# Altium PCB TE0722.Pcbdoc (part 2 of 2)
Units mm, origin at the board's own origin, x right, y up, seen from the top; angles counter-clockwise.
Board outline 17.9 x 51 mm, 6 copper layers (L 01, L 02, L 03, L 04, L 05, L 06), stack 0.726 mm thick; 69 components, 109 nets, 489 pads, 153 vias.
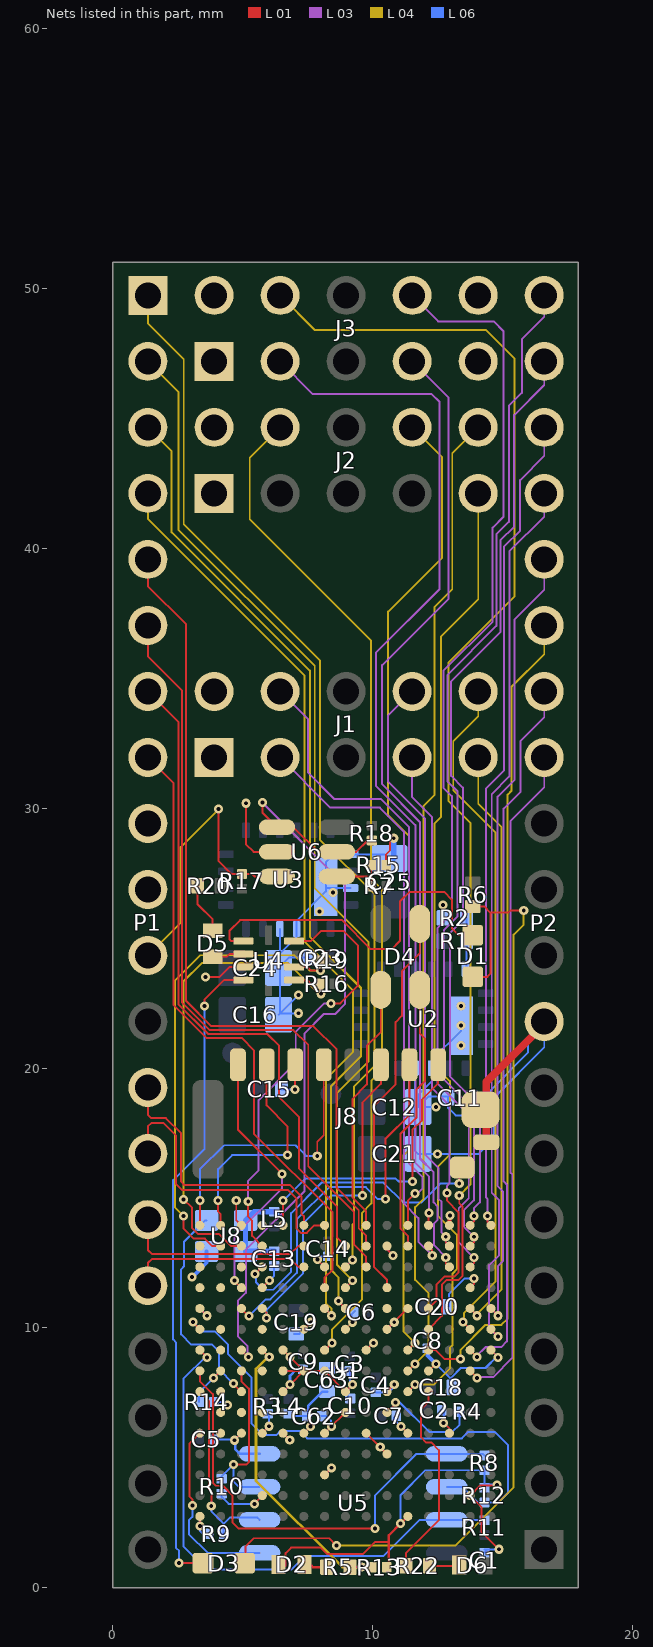
[diagram p6: the nets of this part, all layers, seen from the top]

## Via types
v1: diameter 0.35, hole 0.15, L 01 to L 06, 153 vias

## Nets (pads, with @x,y where several pads share a name; then routed paths per layer and width w, separated by ;. In a path a pad name is that pad's centre, name@x,y a point inside that pad or via, vN(x,y) a via of type N, cw(c..) or ccw(c..) an arc to the next point about the centre after c; other vN are vias at no path point) (continued)
B35_L3_N: P1.15 U1.F14 | length 7.4
  L 01 w0.075: P1.15@1.35,14.17 1.35,13 1.502,12.847 6.835,12.847 7.137,13.15 U1.F14@7.35,13.15
B35_L3_P: P1.16 U1.F13 | length 7.1
  L 01 w0.075: P1.16@1.35,11.63 1.35,12.5 1.502,12.652 6.835,12.652 7.137,12.35 U1.F13@7.35,12.35
B35_L5_N: P1.13 U1.F15 | length 10.6
  L 01 w0.075: P1.13@1.35,19.25 1.35,18.207 1.48,18.077 2.041,18.077 2.625,17.493 2.625,15.625 2.75,15.5 6.826,15.5 7.257,15.068 7.257,14.392 7.35,14.3 U1.F15@7.35,13.95 U1.F15@7.312,13.987
B35_L5_P: P1.14 U1.G15 | length 11.5
  L 01 w0.075: P1.14@1.35,16.71 1.35,17.752 1.48,17.882 1.96,17.882 2.43,17.412 2.43,15.544 2.669,15.305 6.745,15.305 7.062,14.987 7.062,13.831 7.231,13.662 7.469,13.662 7.757,13.95 U1.G15@8.15,13.95
DONE: R22.2 U1.M7 | length 7.7
  L 01 w0.075: R22.2@11.28,0.85 11.28,1.34 12.55,2.61 12.55,5.3 12.25,5.6 12.05,5.6 11.862,5.787 11.862,6.869 12.15,7.157 U1.M7@12.15,7.55
GND: C1.2 C2.1 C3.2 C4.1 C5.1 C6.1 C7.1 C8.1 C9.1 C10.1 C11.2 C12.2 C13.2 C14.1 C15.2 C16.2 C18.2 C19.2 C20.2 C21.2 C23.2 C24.2 C25.2 C62.1 C63.1 D2.K J1.1 J1.2 J2.1 J2.2 J3.1 J3.2 J3.9 J3.10 J8.6 J8.G2 J8.G3 P1.9 P2.9 R2.2 R8.2 R9.2 R10.2 R12.2 R13.2 R14.2 R15.1 U1.A1 U1.A11 U1.B8 U1.C5 U1.C15 U1.D2 U1.D12 U1.E5 U1.E7 U1.E8 U1.E9 U1.F8 U1.F10 U1.G3 U1.G5 U1.G8 U1.G13 U1.H6 U1.H7 U1.H10 U1.J5 U1.J9 U1.K4 U1.K7 U1.K10 U1.K14 U1.L1 U1.L5 U1.L11 U1.M8 U1.N5 U1.N15 U1.P2 U1.P12 U1.R9 U2.3 U2.4 U2.21 U3.3 U3.4 U3.17 U3.19 U3.21 U4.8 U5.4 U6.2 U8.2 | length 109
  L 01 w0.075: v1(3.35,2.38) U1.A1@3.35,2.75 ; U1.A11@3.35,10.75 v1@3.625,10.475 ; v1(3.57,23.5) 4.1,23.5 4.48,23.88 ; v1(3.88,8.08) U1.B8@4.15,8.35 ; v1(4.68,5.68) U1.C5@4.95,5.95 ; v1(4.75,14.9) 4.75,14.15 U1.C15@4.95,13.95 ; U4.8@5.025,23.88 4.48,23.88 ; v1(5.12,30.19) 5.12,28.62 5.42,28.32 U6.2@6.32,28.32 ; U4.8@5.125,23.88 4.48,23.88 ; v1@5.44,3.24 U1.D2@5.75,3.55 ; U1.D12@5.75,11.55 v1@6.025,11.825 ; U1.E5@6.55,5.95 v1(6.81,5.69) ; U1.E7@6.55,7.55 v1(6.82,7.82) U1.F8@7.35,8.35 ; U1.E8@6.55,8.35 U1.F8@7.35,8.35 ; U1.E9@6.58,9.12 v1(6.82,8.88) U1.F8@7.35,8.35 ; 6.65,0.85 6.65,1.34 6.86,1.55 8,1.55 8.25,1.3 9.62,1.3 10.09,1.77 10.625,1.77 ; v1(7.017,19.175) J8.6@7.017,20.125 ; U1.F10@7.35,9.95 v1@7.625,10.225 ; v1@7.875,12.625 U1.G13@8.15,12.35 ; U1.G3@8.15,4.35 v1@8.415,4.615 ; U1.G5@8.15,5.94 v1(8.41,6.21) U1.H6@8.895,6.685 ; U1.H10@8.95,9.95 v1@9.225,10.225 ; v1(9.22,7.82) U1.H7@8.95,7.55 U1.G8@8.15,8.35 U1.F8@7.35,8.35 ; U1.J5@9.75,5.95 U1.K4@10.55,5.15 ; U1.J9@9.75,9.15 v1@10.025,9.425 ; R15.1@10.515,27.8 10.515,28.225 10.67,28.38 10.67,28.82 v1@10.65,28.84 ; U1.K7@10.55,7.55 v1@10.825,7.825 ; U1.K10@10.55,9.95 U1.L11@11.35,10.75 ; U1.K14@10.55,13.15 10.55,13.02 v1(10.78,12.79) v1@10.825,12.875 ; v1(11.07,2.47) U1.L1@11.35,2.75 ; v1(11.09,6.21) U1.L5@11.35,5.95 ; U1.M8@12.15,8.35 v1@12.425,8.625 ; v1@12.74,6.35 12.95,6.14 U1.N5@12.95,5.95 ; U1.P12@13.75,11.55 13.89,11.69 v1(13.89,11.91) ; U1.R9@14.55,9.15 v1@14.825,8.875 ; v1@14.79,3.945 14.145,3.945 U1.P2@13.75,3.55 14.18,3.12 14.18,2.16 v1(14.855,1.485)
  L 01 w0.1: R13.2@10.625,0.8 10.625,1.77 10.625,2.025 v1(11.07,2.47)
  L 01 w0.15: v1@12.94,14.36 12.95,14.35 U1.N15@12.95,13.95
  L 01 w0.3: J8.G3@14.372,17.15 14.372,19.462 16.6,21.69 P2.9@16.6,21.79
  L 06 w0.075: R14.2@3.325,7.15 3.325,7.525 v1@3.91,8.11 ; v1@3.35,2.4 3.35,2.2 3.47,2.08 R9.2@3.695,2.08 ; C5.1@3.885,5.71 v1@4.71,5.71 ; R10.2@4.19,3.625 4.19,3.5 4.46,3.23 v1(5.45,3.23) ; v1@5.5,3.3 v1@5.51,3.31 ; v1(6.03,11.82) 6.21,12 C13.2@6.21,12.385 ; C16.2@6.377,22.05 C16.2@6.425,22.097 ; U3.4@6.425,25.35 C24.2@6.425,24.395 ; C15.2@6.49,19.18 7.012,19.18 v1(7.017,19.175) ; C19.2@6.98,9.77 7.18,9.77 v1@7.59,10.18 ; v1(7.137,22.107) C16.2@6.435,22.107 ; v1(7.137,22.81) C16.2@6.435,22.107 ; C23.2@7.55,24.25 6.777,24.25 C24.2@6.425,23.897 ; v1@7.59,10.19 v1@7.59,10.18 ; v1(7.63,10.22) v1@7.59,10.18 ; v1@7.795,12.705 v1@7.91,12.59 ; v1(7.88,12.63) 8.005,12.755 C14.1@8.29,12.755 ; C62.1@8.035,6.61 8.225,6.61 8.39,6.445 v1(8.41,6.21) ; C63.1@8.15,8.45 8.925,8.45 C3.2@9.03,8.345 ; C10.1@9.05,7.285 9.05,7.65 v1@9.19,7.79 ; C3.2@9.12,8.345 9.12,7.92 v1(9.22,7.82) ; U3.19@9.15,26.925 8.25,26.925 U3.21@8.2,26.975 ; v1@9.19,10.19 9.19,10.525 C6.1@9.315,10.65 ; C4.1@10.12,7.525 10.615,7.525 10.79,7.7 v1@10.79,7.79 ; C25.2@10.65,28.06 10.485,28.225 U3.17@9.15,28.225 8.515,28.225 8.2,27.91 U3.21@8.2,26.975 ; C7.1@10.82,6.48 C7.1@10.82,6.55 ; C7.1@10.91,6.62 10.91,6.39 v1(11.09,6.21) v1@11.11,6.19 ; v1(11.07,2.47) 11.07,3.57 12.025,4.525 R8.2@14.3,4.525 ; U2.4@11.625,20 11.625,16.815 C21.2@11.74,16.7 14.08,16.7 14.667,17.287 14.667,18.867 16.6,20.8 P2.9@16.6,21.79 15.97,21.16 15.97,20.59 14.4,19.02 14.4,18.5 14.08,18.18 13.19,18.18 12.9,18.47 12.9,18.9 12.14,18.9 C12.2@11.74,18.5 ; v1(12.43,8.62) 13.02,8.03 ; v1(12.44,18.5) C12.2@11.74,18.5 ; C2.1@12.655,6.84 12.75,6.745 v1@12.75,6.34 ; R2.2@12.71,25.78 v1(12.71,26.27) ; C20.2@12.93,10.82 12.93,11.29 13.55,11.91 v1(13.89,11.91) ; C18.2@13.02,7.72 13.02,8.09 13.39,8.46 14.34,8.46 v1@14.79,8.91 ; U2.21@13.4,21.44 12.275,20.315 U2.3@12.275,20 12.275,19.495 11.74,18.96 C12.2@11.74,18.5 ; C1.2@14.3,1.355 C1.2@14.43,1.485 ; C1.2@14.3,1.485 C1.2@14.43,1.485 ; R8.2@14.3,4.49 14.3,3.985 14.69,3.985 v1@14.73,3.945 ; v1(14.855,1.485) C1.2@14.43,1.485 ; C16.2@6.425,22.097 C16.2@6.435,22.107 ; C16.2@6.425,22.097 C24.2@6.425,23.897 ; C24.2@6.425,23.897 C24.2@6.377,23.85 6.377,24.347 C24.2@6.425,24.395 ; C24.2@6.425,23.897 C24.2@6.425,24.395 ; C24.2@6.425,24.395 7.075,25.045 U3.3@7.075,25.35 7.075,25.675 8.2,26.8 U3.21@8.2,26.975
  L 06 w0.1: v1@4.71,5.71 4.71,5.34 4.895,5.155 U5.4@5.65,5.155 ; v1(6.82,7.82) 6.82,8.16 7.075,8.415 C9.1@7.32,8.415 C9.1@7.23,8.415
  L 06 w0.15: v1(3.05,11.96) 3.06,11.96 3.61,12.51 U8.2@3.61,12.94 ; C8.1@12.11,9.215 12.11,8.94 v1(12.43,8.62)
  L 06 w0.2: C25.2@10.81,28.06 v1(10.81,28.84)
  other v1: 14.79,3.955 8.41,4.62 10.29,5.42 12.73,6.34 10.83,7.82 14.82,8.87 10.03,9.42 9.23,10.22 10.83,10.22 3.62,10.47 12.97,14.32 12.49,16.7 13.39,20.87 13.39,21.64 13.39,22.39 7.95,26.03 8.48,26.75
INIT: R3.1 U1.D5 | length 0.9
  L 01 w0.075: U1.D5@5.75,5.95 v1@6.015,6.215
  L 06 w0.075: R3.1@5.96,6.695 6.01,6.645 v1(6.01,6.22) ; v1@5.985,6.195 v1@5.99,6.19
MIO0: U1.D8
MIO7: R5.2 R13.1 U1.D9 | length 11.6
  L 01 w0.075: U1.D9@5.75,9.15 v1(6.02,8.88)
  L 01 w0.1: R5.2@9.185,0.8 R13.1@9.965,0.8
  L 04 w0.1: v1@5.99,8.91 5.51,8.43 5.51,4.12 8.83,0.8 v1@9.62,0.8
  other v1: 9.58,0.8
MIO8: R14.1 U1.B6 | length 1
  L 01 w0.075: U1.B6@4.15,6.75 v1@4.425,7.025
  L 06 w0.075: R14.1@3.895,7.15 4.23,7.15 v1@4.39,6.99
  other v1: 4.42,7.03
MIO9: U1.B5
MIO10: U1.D6
MIO11: U1.B10
MIO12: U1.B7
MIO13: U1.C6
MIO14: U1.B9
MIO15: U1.D10
MIO28: J8.5 U1.A15 | length 10.8
  L 01 w0.075: U1.A15@3.35,13.95 v1(3.35,14.9) ; v1(7.867,16.62) 7.867,17.167 8.117,17.417 J8.5@8.117,20.125
  L 06 w0.075: v1(3.35,14.9) 3.35,16.1 4.28,17.03 7.03,17.03 7.44,16.62 v1(7.867,16.62)
MIO29: J8.3 U1.D11 | length 12.7
  L 01 w0.075: U1.D11@5.75,10.75 5.92,10.58 v1(5.92,10.38) ; v1(9.6,15.1) 9.6,18.67 10.317,19.387 J8.3@10.317,20.125
  L 06 w0.075: v1(5.92,10.38) 5.92,10.7 7.31,12.09 7.31,14.01 8.4,15.1 v1(9.6,15.1)
MIO30: J8.7 U1.B15 | length 8.9
  L 01 w0.075: v1(4.05,14.9) 4.05,14.48 4.15,14.38 U1.B15@4.15,13.95 ; J8.7@5.917,20.125 5.917,18.56 6.727,17.75 v1(6.727,16.65)
  L 06 w0.075: v1(4.05,14.9) 4.05,16.11 4.59,16.65 v1(6.727,16.65)
MIO31: J8.8 U1.C12 | length 10.1
  L 01 w0.075: v1@4.675,11.825 U1.C12@4.95,11.55 ; J8.8@4.817,20.125 4.817,17.625 v1(6.512,15.93)
  L 03 w0.075: v1(4.68,11.83) 4.68,13.55 6.512,15.382 v1(6.512,15.93)
MIO32: J8.1 U1.E15 | length 11.2
  L 01 w0.075: U1.E15@6.55,13.95 v1(6.55,14.9) ; v1(11.53,15.64) 11.53,17.62 11.9,17.99 11.9,18.8 12.517,19.417 J8.1@12.517,20.125
  L 06 w0.075: v1(6.55,14.9) 7.4,15.75 10.882,15.75 10.992,15.64 v1(11.53,15.64)
MIO33: J8.2 U1.C11 | length 14.7
  L 01 w0.075: U1.C11@4.95,10.75 4.95,10.74 v1(5.235,10.455) ; v1(10.5,14.96) 10.5,17.29 11.417,18.207 J8.2@11.417,20.125
  L 06 w0.075: v1(5.235,10.455) 5.88,11.1 6.06,11.1 7.08,12.12 7.08,14.18 8.322,15.422 9.734,15.422 10.196,14.96 v1(10.5,14.96)
MIO34: U1.D15
MIO35: U1.A14
MIO36: R19.1 U1.B14 U4.2 | length 19.1
  L 01 w0.075: v1(2.72,14.31) 2.72,13.83 3.113,13.437 3.543,13.437 3.83,13.15 U1.B14@4.15,13.15 ; U4.2@6.975,23.88 7.51,23.88 7.64,23.75 v1(7.99,23.75) 7.99,24.105 R19.1@7.955,24.14
  L 04 w0.075: v1(2.72,14.31) 2.39,14.64 2.39,23.36 3.37,24.34 6.98,24.34 7.57,23.75 v1(7.99,23.75)
MIO37: R16.1 U1.C14 U4.1 | length 19.4
  L 01 w0.075: v1(2.72,14.95) 3.05,14.62 3.05,13.843 3.283,13.61 4.097,13.61 4.557,13.15 U1.C14@4.95,13.15 ; U4.1@6.875,23.38 6.885,23.37 7.5,23.37 7.62,23.25 R16.1@7.955,23.25 7.97,23.25 v1@7.97,22.86
  L 04 w0.075: v1(2.72,14.95) 2.72,23.33 3.43,24.04 6.75,24.04 7.93,22.86 v1(8.01,22.86)
MIO38: U1.A13
MIO39: U1.D14 U4.4 | length 16.9
  L 01 w0.075: v1(5.21,14.87) 5.21,14.28 5.36,14.13 5.36,13.54 U1.D14@5.75,13.15 ; U4.4@6.875,24.88 7.62,24.88 8.02,25.28 8.87,25.28 9.43,24.72 9.43,23.16 8.76,22.49 v1(8.39,22.49)
  L 03 w0.075: v1(5.21,14.87) 5.21,15.66 5.61,16.06 5.61,18.77 7.04,20.2 7.04,21.39 8.14,22.49 v1(8.39,22.49)
MIO48: U1.B12
MIO49: J8.G4 U1.D13 | length 13
  L 01 w0.075: v1@5.475,12.075 U1.D13@5.75,12.35 ; v1@13.33,15.54 v1(13.33,15.56) 13.33,16.063 J8.G4@13.442,16.175
  L 06 w0.075: v1@5.51,12.11 5.51,11.76 5.8,11.47 6.17,11.47 6.86,12.16 6.86,14.42 8.03,15.59 10.41,15.59 11.17,14.83 11.88,14.83 12.61,15.56 v1(13.33,15.56)
  other v1: 5.47,12.08
MIO52: U1.A12
MIO53: U1.C13
NetC13_1: C13.1 L5.2 U8.1 U8.4 | length 3.5
  L 06 w0.2: U8.1@5.11,12.94 U8.4@5.11,14.14 5.445,14.475 L5.2@6.21,14.475 ; U8.1@5.125,12.955 C13.1@6.21,12.955
NetC62_2: C62.2 C63.2 L4.2 U1.F5 | length 2.6
  L 01 w0.075: U1.F5@7.35,5.95 v1(7.61,6.21)
  L 06 w0.075: 7,6.615 7.65,6.615 ; v1@7.59,6.19 C62.2@7.59,6.425
  L 06 w0.1: C62.2@7.515,6.62 7.515,7.005 8.06,7.55 C63.2@8.24,7.55
NetD1_A: D1.A D3.A R6.1 | length 39.7
  L 01 w0.075: D3.A@5.1,0.95 5.1,1.59 5.42,1.91 8.32,1.91 v1(8.6,1.63) ; D1.A@13.85,23.51 14.41,23.51 14.53,23.63 14.53,25.98 ; R6.1@13.85,26.22 14.29,26.22 14.53,25.98 ; v1(15.81,26.06) 15.8,26.07 15.31,26.07 15.22,25.98 14.53,25.98
  L 04 w0.075: v1(8.6,1.63) 13.17,1.63 15.42,3.88 15.42,25.13 15.81,25.52 v1(15.81,26.06)
NetD1_K: D1.K U4.6 | length 14.1
  L 01 w0.075: U4.6@5.125,24.88 4.56,24.88 4.49,24.95 4.49,25.28 4.9,25.69 8.82,25.69 9.93,24.58 10.74,24.58 11.05,24.89 11.05,26.41 11.42,26.78 12.75,26.78 13.05,26.48 13.05,25.37 13.31,25.11 D1.K@13.85,25.11
NetD2_A: D2.A R5.1 | length 0.7
  L 01 w0.1: 7.65,0.85 7.7,0.8 R5.1@8.28,0.8
NetD3_K: D3.K U4.9 | length 25
  L 01 w0.075: v1(2.55,0.95) D3.K@3.47,0.95 ; v1(3.53,22.39) 3.53,22.64 4.27,23.38 U4.9@5.025,23.38
  L 06 w0.075: v1(2.55,0.95) 2.55,1.42 2.44,1.53 2.44,9.44 2.32,9.56 2.32,15.69 3.53,16.9 v1(3.53,22.39)
NetD5_A: D5.A R20.2 | length 2
  L 01 w0.075: R20.2@3.268,27.012 3.268,26.292 3.842,25.718 D5.A@3.842,25.283
NetD5_K: D5.K U4.7 | length 1.2
  L 01 w0.075: D5.K@3.842,24.283 4.383,24.283 4.48,24.38 U4.7@5.025,24.38
NetD6_K: D6.K R22.1 | length 1.1
  L 01 w0.075: R22.1@12.18,0.85 D6.K@13.3,0.85
NetR1_2: R1.2 R2.1 U2.16 | length 2
  L 06 w0.075: U2.16@13.575,23.8 13.61,23.835 R2.1@13.61,25.78
NetR7_1: R7.1 R15.2 U6.4 | length 2.2
  L 01 w0.075: U6.4@8.62,27.37 9.9,27.37 ; R7.1@9.9,27.035 R7.1@9.945,26.99 R15.2@9.945,27.8
NetU1_C7: U1.C7 U8.3 | length 8.5
  L 01 w0.075: v1(4.64,7.86) U1.C7@4.95,7.55
  L 06 w0.075: U8.3@3.61,14.14 3.56,14.14 2.74,13.32 2.74,12.37 2.63,12.26 2.63,9.75 3.02,9.36 3.82,9.36 4.09,9.09 4.09,8.41 v1(4.64,7.86)
NRST: P1.11 R17.1 U6.3 | length 11.4
  L 01 w0.075: v1(4.07,29.96) 4.07,27.96 4.568,27.462 4.967,27.462 R17.1@4.97,27.465 5.375,27.465 5.47,27.37 U6.3@6.32,27.37
  L 04 w0.075: P1.11@1.35,24.33 2.61,25.59 2.61,28.5 v1(4.07,29.96)
  L 06 w0.075: P1.11@1.35,24.33 P1.11@1.51,24.33
P0: P1.1 U1.H13 | length 41.6
  L 01 w0.075: U1.H13@8.912,12.438 8.912,12.387 U1.H13@8.95,12.35 v1@9.225,12.625
  L 04 w0.075: P1.1@1.35,49.73 1.35,48.65 2.73,47.27 2.73,40.92 7.98,35.67 7.98,28.77 10.07,26.68 10.07,20.08 9.272,19.282 9.272,14.032 9.23,13.99 v1@9.23,12.63 ; v1@9.19,12.59 v1@9.23,12.63 ; v1(9.23,12.62) v1@9.23,12.63
P1: P1.2 U1.H12 | length 40
  L 01 w0.075: U1.H12@8.95,11.55 v1@9.225,11.825
  L 04 w0.075: P1.2@1.35,47.19 2.52,46.02 2.52,40.72 7.77,35.47 7.77,26.92 9.83,24.86 9.83,20.25 8.627,19.047 8.627,12.423 v1(9.23,11.82)
P2: P1.3 U1.H11 | length 38
  L 01 w0.075: v1@8.675,11.025 U1.H11@8.95,10.75
  L 04 w0.075: P1.3@1.35,44.65 2.26,43.74 2.26,40.61 7.58,35.29 7.58,25.05 9.55,23.08 9.55,20.46 8.4,19.31 8.4,12.23 8.68,11.95 v1(8.68,11.03) ; v1@8.71,10.99 v1@8.71,11.03
P3: P1.4 U1.G11 | length 35.8
  L 01 w0.075: U1.G11@8.15,10.75 v1@8.425,10.475
  L 04 w0.075: P1.4@1.35,42.11 1.35,41.13 7.38,35.1 7.38,24.86 9.24,23 9.24,20.61 8.202,19.572 8.202,10.958 8.42,10.74 v1(8.42,10.47)
P4: P1.5 U1.J14 | length 32.2
  L 01 w0.075: P1.5@1.35,39.57 1.35,38.54 2.82,37.07 2.82,22.58 3.79,21.61 7.72,21.61 8.61,20.72 8.61,15.39 9.462,14.538 9.462,13.831 9.75,13.543 U1.J14@9.75,13.15
P5: P1.6 U1.J13 | length 30
  L 01 w0.075: P1.6@1.35,37.03 1.35,35.84 2.67,34.52 2.67,22.518 3.728,21.46 6.95,21.46 7.52,20.89 7.52,16.22 9.272,14.468 9.272,13.221 9.75,12.743 U1.J13@9.75,12.35
P6: P1.7 U1.H14 | length 25.8
  L 01 w0.075: P1.7@1.35,34.49 2.52,33.32 2.52,22.456 3.666,21.31 5.95,21.31 6.4,20.86 6.4,18.88 7.16,18.12 7.16,16.14 8.627,14.672 8.627,13.472 U1.H14@8.95,13.15
P7: P1.8 U1.G12 | length 24.3
  L 01 w0.075: P1.8@1.35,31.95 2.34,30.96 2.34,22.424 3.604,21.16 4.954,21.16 5.44,20.674 5.44,17.46 8.455,14.445 8.455,12.248 8.15,11.943 U1.G12@8.15,11.55
P24: P2.13 U1.P8 | length 25.7
  L 01 w0.075: U1.P8@13.75,8.35 v1(14.02,8.08)
  L 03 w0.075: v1@13.99,8.11 14.63,8.11 15.37,8.85 15.37,15.91 15.31,15.97 15.31,29.51 16.6,30.8 P2.13@16.6,31.95
P25: P2.14 U1.P9 | length 27.5
  L 01 w0.075: U1.P9@13.75,9.15 v1(14.02,8.88)
  L 03 w0.075: v1@13.99,8.91 14.34,9.26 14.94,9.26 15.16,9.48 15.16,15.52 15.04,15.64 15.04,29.98 15.68,30.62 15.68,32.57 16.6,33.49 P2.14@16.6,34.49
P26: P2.15 U1.M9 | length 31.3
  L 01 w0.075: U1.M9@12.15,9.15 12.43,9.15 12.78,8.8 13.37,8.8 v1(13.38,8.81)
  L 04 w0.075: v1(13.38,8.81) 13.38,9.16 14.34,10.12 14.95,10.12 15.19,10.36 15.19,30.52 15.34,30.67 15.34,34.67 16.6,35.93 P2.15@16.6,37.03
P27: P2.16 U1.R11 | length 30.4
  L 01 w0.075: U1.R11@14.55,10.75 v1@14.825,10.475
  L 03 w0.075: v1(14.82,10.47) 14.82,12.38 15.01,12.57 15.01,15.26 14.81,15.46 14.81,30.44 15.45,31.08 15.45,37.25 16.6,38.4 P2.16@16.6,39.57
P28: P2.17 U1.R10 | length 34.1
  L 01 w0.075: U1.R10@14.55,9.95 v1@14.825,9.675
  L 03 w0.075: v1(14.82,9.67) 14.48,10.01 14.48,12.42 14.86,12.8 14.86,14.92 14.58,15.2 14.58,30.54 15.26,31.22 15.26,39.88 16.6,41.22 P2.17@16.6,42.11
P29: P2.18 U1.R15 | length 31.7
  L 01 w0.075: v1(14.41,14.31) 14.41,14.09 U1.R15@14.55,13.95
  L 03 w0.075: v1(14.41,14.31) 14.41,14.97 14.36,15.02 14.36,30.76 15.06,31.46 15.06,40.07 15.67,40.68 15.67,42.62 16.6,43.55 P2.18@16.6,44.65
P30: P2.19 U1.P15 | length 35.7
  L 01 w0.075: U1.P15@13.75,13.95 13.89,14.09 v1(13.89,14.31)
  L 03 w0.075: v1(13.89,14.31) 13.89,14.6 14.12,14.83 14.12,18.53 12.98,19.67 12.98,25.2 13.47,25.69 13.47,30.79 13.02,31.24 13.02,34.88 14.91,36.77 14.91,40.3 15.443,40.833 15.443,45.123 16.6,46.28 P2.19@16.6,47.19
P31: P2.20 U1.P14 | length 39.3
  L 01 w0.075: U1.P14@13.75,13.15 13.89,13.29 v1(13.89,13.51)
  L 03 w0.075: v1(13.89,13.51) 13.52,13.88 13.52,14.54 13.89,14.91 13.89,18.41 12.75,19.55 12.75,25.32 13.27,25.84 13.27,30.64 12.87,31.04 12.87,35.12 14.76,37.01 14.76,40.53 15.243,41.013 15.243,45.485 15.737,45.98 15.737,48.037 16.6,48.9 P2.20@16.6,49.73
POR_B: R18.1 U1.C9 U6.1 U6.5 | length 30.5
  L 01 w0.075: U1.C9@4.95,9.15 v1(5.22,8.88) ; v1(5.76,30.21) 5.76,29.83 U6.1@6.32,29.27 6.95,29.27 7.9,28.32 U6.5@8.62,28.32 9.37,28.32 9.805,28.755 R18.1@9.97,28.755
  L 03 w0.075: v1@5.19,8.91 5.19,9.3 4.81,9.68 4.81,11.04 5.12,11.35 5.12,13.01 7.38,15.27 7.38,21.34 8.12,22.08 8.55,22.08 8.93,22.46 8.93,27.04 v1(5.76,30.21)
PROG_B: R4.1 U1.K6 | length 4.1
  L 01 w0.075: U1.K6@10.55,6.75 10.88,7.08 v1(10.88,7.13)
  L 06 w0.075: v1(10.88,7.13) 11.05,7.13 12.18,6 13.06,6 13.345,6.285 R4.1@13.345,6.78
PWM: U1.K11
RGB_B: D4.4 U1.J15 | length 9.7
  L 01 w0.075: U1.J15@9.75,13.95 9.75,14.49 9.23,15.01 9.23,18.82 9.78,19.37 9.78,20.85 10.31,21.38 D4.4@10.31,23.01
RGB_G: D4.2 U1.K12 | length 14.9
  L 01 w0.075: U1.K12@10.55,11.55 10.55,11.85 10.047,12.353 10.047,18.537 10.88,19.37 10.88,21.77 11.12,22.01 11.12,23.72 11.81,24.41 D4.2@11.81,25.55
RGB_R: D4.1 U1.L14 | length 10.5
  L 01 w0.075: U1.L14@11.35,13.15 11.35,13.543 11.062,13.831 11.062,17.462 11.68,18.08 11.68,19.16 12.01,19.49 12.01,21.14 11.81,21.34 D4.1@11.81,23.01
SPI-CS: U1.A5 U5.1 | length 7.2
  L 01 w0.075: v1(3.06,3.17) 3.06,3.41 2.95,3.52 2.95,5.55 U1.A5@3.35,5.95
  L 06 w0.075: v1(3.06,3.17) 3.06,2.73 2.93,2.6 2.93,2.07 3.655,1.345 U5.1@5.65,1.345
SPI-DQ1/M1: R9.1 U1.A7 U5.2 | length 7.4
  L 01 w0.075: U1.A7@3.35,7.55 3.7,7.2 3.7,3.81 3.79,3.72 v1(3.79,3.15)
  L 06 w0.075: v1(3.79,3.15) 3.79,2.94 4.265,2.465 ; R9.1@4.265,2.03 R9.1@4.265,2.08 4.265,2.465 ; U5.2@5.65,2.615 5.565,2.7 4.5,2.7 4.265,2.465
SPI-DQ2/M2: R10.1 U1.C8 U5.3 | length 6.7
  L 01 w0.075: v1(4.65,4.75) 5.15,4.75 5.237,4.837 5.237,7.669 4.95,7.957 U1.C8@4.95,8.35
  L 06 w0.075: R10.1@4.19,4.195 4.19,4.29 v1(4.65,4.75) 4.65,4.09 4.855,3.885 U5.3@5.65,3.885
SPI-DQ3/M3: R11.1 U1.A9 U5.7 | length 20.8
  L 01 w0.075: U1.A9@3.35,9.15 v1@3.625,8.875
  L 06 w0.075: v1@3.59,8.91 2.72,8.04 2.72,1.61 3.63,0.7 6.87,0.7 7.39,1.22 10.41,1.22 11.805,2.615 U5.7@12.85,2.615 14.18,2.615 R11.1@14.3,2.735
  other v1: 3.62,8.87
SPI-DQO/M0: R8.1 U1.A8 U5.5 | length 18.3
  L 01 w0.075: U1.A8@3.35,8.35 3.35,7.957 3.85,7.457 3.85,4.04 3.96,3.93 4.24,3.93 4.6,3.57 4.6,2.53 4.85,2.28 v1(10.09,2.28)
  L 06 w0.075: v1(10.09,2.28) 10.09,3.56 11.685,5.155 U5.5@12.85,5.155 14.24,5.155 R8.1@14.3,5.095
SPI-SCK: R12.1 U1.A10 U5.6 | length 20.6
  L 01 w0.075: v1@3.075,10.225 U1.A10@3.35,9.95
  L 06 w0.075: v1@3.11,10.19 3.43,9.87 3.92,9.87 4.44,9.35 4.44,8.99 5.34,8.09 5.34,6.32 5.77,5.89 6.3,5.89 6.45,6.04 7.19,6.04 7.48,5.75 13.43,5.75 13.68,6 14.69,6 15.21,5.48 15.21,3.67 14.825,3.285 R12.1@14.3,3.285 14.045,3.285 13.445,3.885 U5.6@12.85,3.885
  other v1: 3.08,10.23
TCK: J2.4 U1.G9 | length 39
  L 01 w0.075: U1.G9@8.15,9.15 v1@8.425,9.425
  L 04 w0.075: J2.4@6.44,44.65 5.27,43.48 5.27,41.11 9.94,36.44 9.94,27.29 10.35,26.88 10.35,19.91 9.95,19.51 9.95,14.79 9.58,14.42 9.58,11.09 8.43,9.94 v1(8.43,9.42) ; v1@8.39,9.39 v1@8.39,9.42
TDI: J2.9 U1.L7 | length 37.2
  L 01 w0.075: U1.L7@11.35,7.55 v1(11.62,7.82)
  L 04 w0.075: v1@11.59,7.79 v1(11.62,7.82) 12.35,7.82 12.97,8.44 12.97,9.24 13.07,9.34 13.07,12.09 13.24,12.26 13.24,13.59 12.51,14.32 12.51,16.21 12.97,16.67 12.97,19.5 12.38,20.09 12.38,29.41 12.62,29.65 12.62,36.59 14.06,38.03 J2.9@14.06,42.11
TDO: J2.10 U1.L8 | length 37.9
  L 01 w0.075: U1.L8@11.35,8.35 v1@11.625,8.625
  L 04 w0.075: v1@11.59,8.59 v1@11.59,8.62 ; v1(11.63,8.62) 12.15,9.14 12.15,11.33 11.63,11.85 11.63,14.65 11.96,14.98 11.96,30.09 12.382,30.512 12.382,37.742 13.06,38.42 13.06,43.65 J2.10@14.06,44.65
TMS: J2.8 U1.L9 | length 37.6
  L 01 w0.075: U1.L9@11.35,9.15 v1@11.625,9.425
  L 04 w0.075: J2.8@11.52,44.65 12.67,43.5 12.67,39.64 10.59,37.56 10.59,29.72 11.4,28.91 11.4,16.86 11.19,16.65 11.19,9.86 v1(11.63,9.42)
X1A: J3.3 U1.M15 | length 40.3
  L 01 w0.075: U1.M15@12.15,13.95 v1@12.15,14.43
  L 03 w0.075: J3.3@6.44,47.19 7.7,45.93 12.27,45.93 12.57,45.63 12.57,38.43 10.12,35.98 10.12,30.87 11.64,29.35 11.64,16.35 12.17,15.82 v1(12.17,14.43)
X1B: J3.4 U1.M10 | length 49.8
  L 01 w0.075: U1.M10@12.15,9.95 12.662,10.462 12.662,11.669 12.831,11.837 13.297,11.837 13.462,12.002 13.462,14.658 13.33,14.79 v1(13.33,15.09)
  L 04 w0.075: J3.4@6.44,49.73 7.78,48.39 14.36,48.39 15.46,47.29 15.46,38.15 12.91,35.6 12.91,30.28 13.76,29.43 13.76,15.52 v1(13.33,15.09)
X1C: J3.7 U1.N13 | length 37.7
  L 01 w0.075: v1(12.81,12.71) 12.81,12.49 U1.N13@12.95,12.35
  L 03 w0.075: J3.7@11.52,47.19 12.92,45.79 12.92,38.06 10.36,35.5 10.36,30.92 11.82,29.46 11.82,16.52 12.34,16 12.34,14.83 12.492,14.678 12.492,14.152 12.36,14.02 12.36,13.176 12.81,12.726 v1(12.81,12.71)
X1D: J3.8 U1.P13 | length 42.4
  L 01 w0.075: U1.P13@13.75,12.35 13.89,12.49 v1(13.89,12.71)
  L 03 w0.075: J3.8@11.52,49.73 12.52,48.73 14.66,48.73 15.033,48.357 15.033,41.213 14.61,40.79 14.61,37.17 12.72,35.28 12.72,30.79 13.05,30.46 13.05,25.94 12.5,25.39 12.5,19.4 13.695,18.205 13.695,14.995 13.31,14.61 13.31,13.29 v1(13.89,12.71)
X2A: J1.3 U1.M14 | length 23.1
  L 01 w0.075: U1.M14@12.15,13.15 12.29,13.01 v1(12.29,12.79)
  L 03 w0.075: J1.3@6.44,31.95 8.37,30.02 10.28,30.02 11.2,29.1 11.2,14.79 11.76,14.23 11.76,13.32 v1(12.29,12.79)
X2B: J1.4 U1.L15 | length 24.2
  L 01 w0.075: U1.L15@11.35,13.95 11.35,14.9 v1(11.62,15.17)
  L 03 w0.075: J1.4@6.44,34.49 7.519,33.411 7.519,31.361 8.53,30.35 10.32,30.35 11.4,29.27 11.4,16.32 11.91,15.81 11.91,15.36 v1@11.62,15.07
X2C: J1.7 U1.M11 | length 22.7
  L 01 w0.075: U1.M11@12.15,10.75 12.46,11.06 12.46,11.679 12.769,11.987 13.157,11.987 13.3,12.13 13.3,14.46 12.86,14.9 v1(12.86,15.2)
  L 03 w0.075: J1.7@11.52,31.95 11.52,30.42 12.28,29.66 12.28,19.24 12.95,18.57 12.95,15.56 12.86,15.47 v1(12.86,15.2)
X2D: J1.8 U1.N14 | length 22.7
  L 01 w0.075: v1(12.81,13.51) 12.81,13.29 U1.N14@12.95,13.15
  L 03 w0.075: J1.8@11.52,34.49 10.58,33.55 10.58,31.04 12.02,29.6 12.02,16.67 12.53,16.16 12.53,14.972 12.647,14.855 12.647,13.672 v1(12.81,13.51)
X2E: J1.9 U1.P11 | length 22.6
  L 01 w0.075: U1.P11@13.75,10.75 v1@14.025,10.475
  L 04 w0.075: v1@13.99,10.51 14.95,11.47 14.95,29.28 14.06,30.17 J1.9@14.06,31.95
  other v1: 14.02,10.47
X2F: J1.10 U1.P10 | length 26.3
  L 01 w0.075: v1@13.475,10.225 U1.P10@13.75,9.95
  L 04 w0.075: v1@13.51,10.19 13.51,10.57 14.732,11.792 14.732,29.058 13.1,30.69 13.1,32.57 14.06,33.53 J1.10@14.06,34.49
  other v1: 13.48,10.23
XIO: P1.10
pads on no net: J8.G1 U1.A2 U1.A3 U1.A4 U1.B1 U1.B2 U1.B4 U1.C1 U1.C2 U1.C3 U1.C4 U1.D1 U1.D3 U1.D4 U1.E1 U1.E2 U1.E3 U1.F2 U1.F3 U1.F4 U1.G1 U1.G2 U1.G7 U1.H1 U1.H2 U1.H3 U1.H8 U1.J1 U1.J3 U1.J7 U1.J11 U1.K1 U1.K2 U1.K3 U1.L2 U1.L3 U1.L4 U1.M1 U1.M2 U1.M4 U1.M5 U1.M6 U1.N1 U1.N2 U1.N3 U1.N4 U1.N6 U1.N9 U1.P1 U1.P3 U1.P4 U1.P5 U1.P6 U1.R1 U1.R2 U1.R3 U1.R5 U1.R6 U2.8 U2.9 U2.10 U2.11 U2.12 U2.13 U2.14 U3.8 U3.9 U3.10 U3.11 U3.12 U3.13 U3.14 U3.16 U4.5 U4.10

## Polygon pours and split planes (outlines as drawn)
GND on L 02 "L 02-No Net" (solid, remove dead copper, pour order 20): -4.04,52.61 -2.55,51.12 -2.55,-2.37 -2.32,-2.6 19.47,-2.6 20.68,-1.39 20.68,53.19
GND on L 02 "L 02-No Net" (solid, remove dead copper, pour order 16): 0.12,50.85 0.12,0.28 0.04,0.2 17.889,0.2 17.9,0.189 17.9,51
GND on L 05 "L 05_ GND" (solid, remove dead copper, pour order 22): 0.12,50.92 0.12,0.08 17.791,0.08 17.9,0.189 17.9,51
3.3V on L 03 "L03_3.3V" (solid, pour order 21): 0,0 0,51 17.9,51 17.9,0
1.0V on L 03 "L03_1.0V" (solid, pour order 13): 6.32,6.52 6.32,10.67 8.11,12.46 9.21,13.56 9.21,15.21 9.21,16.71 8.76,17.16 8.43,17.49 8.43,19.98 8.43,21.03 8.7,21.3 8.75,21.35 10.26,21.35 10.742,21.35 10.86,21.232 10.93,21.162 10.93,18.58 10.93,17.02 10.98,16.97 11,16.95 11,15.96 11,14.62 11.16,14.46 11.55,14.07 11.55,12.18 11.55,11.57 11.84,11.28 11.93,11.19 11.93,10.21 11.93,10.06 11.74,9.87 11.56,9.69 11.01,9.69 10.63,9.69 10.52,9.58 10.5,9.56 10.5,7.12 10.5,5.96 10.45,5.91 10.21,5.67 9.26,5.67 7.17,5.67 6.45,6.39
3.3V on L 06 "L 06_GND" (solid, remove dead copper, pour order 19): -3.24,52.81 -5.6,50.45 -5.6,-5.32 18.48,-5.32 20.42,-3.38 22.43,-1.37 22.43,52.95
GND on L 04 "L04_GND" (solid, pour order 23): 0,0 0,51 17.9,51 17.9,0
1.8V on L 04 "L04_1.8V" (solid, pour order 10): 6.39,4.85 6.39,8.716 5.853,9.52 4.38,10.13 4.38,12.14 4.38,18.33 4.38,18.87 4.22,19.03 4.01,19.24 4.01,22.77 4.01,23.26 4.17,23.42 4.28,23.53 4.89,23.53 6.06,23.53 6.45,23.14 6.63,22.96 6.63,21.66 6.63,20.65 7.22,20.06 7.52,19.76 7.52,12.38 7.52,10.1 8.315,9.305 8.69,9.23 8.847,9.356 8.85,9.45 8.85,9.6 9.01,9.76 9.08,9.83 10.19,9.83 10.77,9.83 11.11,9.49 11.24,9.36 11.24,8.16 11.24,7.69 11.42,7.51 11.95,7.51 13.1,7.51 14.22,6.39 14.58,6.03 14.58,4.98 14.58,4.83 14.35,4.6 13.62,3.87 8.14,3.87 7.04,3.87 6.39,4.52
GND on L 01 "L01_GND" (solid, pour order 15): -0.06,23.12 -0.06,50.94 0,51 17.9,51 17.9,23.15 17.91,23.14

## Keep-outs
Keep-Out Layer:
  the board outline again, w0.1

## Other copper
L 01:
  pour cut-out: 4.65,23.28 4.65,25.18 5.03,25.56 7.36,25.56 7.49,25.43 7.42,25.36 7.42,23.092 7.137,22.81 7.027,22.92 4.89,22.92
  pour cut-out: 9.91,22.65 9.91,26.2 10.042,26.332 11.995,26.332 12.257,26.07 12.23,26.043 12.23,22.53 12.04,22.34 10.14,22.34 9.93,22.55
L 03:
  pour cut-out: 10.936,8.998 11.198,9.26 10.97,9.26
  pour cut-out: 6.12,10.2 6.12,10.212 6.257,10.349 6.257,10.475 6.198,10.416
  pour cut-out: 6.257,10.412 6.273,10.429 6.273,10.543 6.255,10.543 6.159,10.447 6.159,10.308
  pour cut-out: 6.25,6.26 6.25,6.53 6.24,6.54 6.16,6.46 6.16,6.18
  pour cut-out: 6.25,8.59 6.25,9.178 6.11,9.038 6.11,8.79
  pour cut-out: 10.69,21.464 11.069,21.464 11.03,21.425 11.03,21.001
  pour cut-out: 11.03,21.11 11.03,21.17 11.16,21.3 11.16,21.49 10.905,21.49 10.879,21.464
L 04:
  pour cut-out: 8.867,26.046 9.818,26.046 9.818,24.672 9.86,24.63 9.73,24.5 9.46,24.5 9.46,25.452
L 06:
  region net GND: 5.84,24.51 6.26,24.93 6.26,25.71 7.68,27.13 7.68,28.09 7.69,28.1 8.66,28.1 8.66,25.86 8.65,25.85 7.54,25.85 7.25,25.56 7.25,25.09 7.8,24.54 7.8,23.972 7.53,23.703 7.53,21.6 7.21,21.28 5.98,21.28 5.84,21.42
  region net 1.8V: 4.03,25.08 3.71,25.4 3.71,26.2 3.97,26.46 5.16,26.46 5.93,25.69 5.93,25.06 5.32,24.45 5.32,21.49 5.08,21.25 4.15,21.25 4.03,21.37
  region net GND: 11.21,16.12 11.2,16.13 11.2,19.15 11.48,19.43 11.48,20.42 12.35,21.29 12.35,22.45 12.64,22.74 13.85,22.74 13.86,22.73 13.86,20.5 12.68,20.5 12.46,20.28 12.46,19.7 12.83,19.33 13,19.33 13.16,19.17 13.16,16.16 12.98,15.98 11.27,15.98 11.21,16.04
  region net 1.0V: 10.42,21.12 11.13,20.41 11.13,19.47 10.86,19.2 10.86,16.41 10.46,16.01 9.46,16.01 9.25,16.22 9.25,19.82 8.64,20.43 8.64,21.06 8.7,21.12
  pour cut-out: 9.078,21.196 9.078,23.398 10.372,24.692 12.68,24.692 13.21,24.162 13.21,20.59 12.83,20.21 12.74,20.3 10.87,20.3
  pour cut-out: 4.163,26.559 4.163,29.139 4.643,29.619 7.732,29.619 7.951,29.4 7.89,29.34 7.89,26.145 7.075,25.33 6.775,25.63 5.73,25.63
  pour cut-out: 12.59,24.72 12.59,25.66 12.71,25.78 13.61,25.78 13.61,24.88 13.85,24.64 13.85,20.51 13.86,20.5 12.68,20.5
  pour cut-out: 7.58,29.62 8.56,29.62 10,28.18 10,27.97 9.605,27.575 9.005,27.575 8.64,27.21 8.65,27.2 8.65,25.85 7.64,25.85 7.58,25.91
  pour cut-out: 5.65,1.345 5.65,5.155 12.85,5.155 12.85,1.345 12.465,1.345 12.43,1.38
  pour cut-out: 11.996,1.699 12.45,1.245 12.75,1.245 12.75,0.55 12.45,0.25 9.22,0.25 9.22,1.67 9.54,1.99
  pour cut-out: 6.203,6.467 6.203,9.587 5.83,9.96 5.83,10.69 6.39,10.69 6.653,10.953 11.565,10.953 11.902,11.29 13.058,11.29 13.767,10.581 13.767,6.379 13.815,6.379 13.95,6.244 13.95,5.99 12.52,5.99 11.36,4.83 5.12,4.83 5.12,3.32 3.74,1.94 3.06,1.94 3.06,3.02 2.72,3.36 2.72,8.04 2.79,8.04 3.655,8.905 4.792,8.905 4.792,8.478 5.528,7.742 5.528,7.706 6.162,7.706 6.315,7.553
  pour cut-out: 3.13,12.58 3.169,12.619 3.169,14.841 3.1,14.911 3.31,15.121 5.21,15.121 5.21,15.074 6.21,14.074 6.21,12 5.444,12 5.322,11.878 4.84,12.36 3.05,12.36
  pour cut-out: 5.81,17.15 5.81,19.51 5.91,19.61 9.17,19.61 9.17,16.11 9.45,15.83 8.21,14.59 4.36,14.59 4.01,14.94 4.01,16.54
  pour cut-out: 2.574,13.407 2.574,14.859 2.867,15.153 2.899,15.121 3.31,15.121 3.169,14.98 3.169,13.73
  region net 3.3V: 13.59,18.54 13.55,18.58 13.55,19.29 13.31,19.53 12.98,19.53 12.77,19.74 12.77,20.25 12.85,20.33 14.13,20.33 14.35,20.55 14.35,23.14 14.55,23.34 15.3,23.34 15.46,23.18 15.46,20.68 14.08,19.3 14.08,18.59 14.03,18.54
  region net 3.3V: 7.58,25.61 7.57,25.6 7.57,25.09 8.19,24.47 8.19,24 8.24,23.95 8.66,23.95 9.96,25.25 11.35,25.25 11.68,25.58 11.68,26.9 11.41,27.17 9.86,27.17 9.59,26.9 9.59,26.56 9.45,26.42 9,26.42 8.87,26.29 8.87,25.66 7.61,25.66 7.59,25.64
  pour cut-out: 8.24,23.95 8.701,23.95 9.941,25.19 12.102,25.19 12.394,25.482 12.406,25.47 12.76,25.47 12.76,25.08 9.21,21.53 9.21,19.63 8.89,19.31 4.82,19.31 4.597,19.532 4.78,19.715 4.78,21.15 4.98,21.15 5.32,21.49 5.548,21.262 7.476,21.262 7.476,23.649 7.8,23.972

## Silkscreen, mask and mechanical layers (free items; w line width, h text height)
Top Overlay:
  text "TE0722-01" at 3.82,37.32 h2.5
PCB-Outline-GM6:
  the board outline again, w0.01

## Dimensions
1.35,1.47 to 16.6,1.47 on Dim-Top-GM1
0,0 to 17.9,0 on Dim-Top-GM1
0,51 to 0,0 on Dim-Top-GM1

## Text inside footprints (layer, text, board x,y; h text height)
D2: Assembly Top-GM13 "K" at 5.725,0.6 h0.7; Assembly Top-GM13 "A" at 7.58,0.69 h0.7
D4: Assembly Top-GM13 "1" at 11.96,23.58 h0.7 r180
D5: Assembly Top-GM13 "A" at 3.492,25.883 h0.7 r270; Assembly Top-GM13 "K" at 3.492,24.158 h0.7 r270
D6: Assembly Top-GM13 "K" at 12.675,0.53 h0.7; Assembly Top-GM13 "A" at 14.55,0.59 h0.7
J1: Assembly Top-GM13 "1" at 2.905,30.92 h0.7; Assembly Top-GM13 "2" at 2.78,34.62 h0.7; Assembly Top-GM13 "9" at 14.53,30.82 h0.7; Assembly Top-GM13 "10" at 14.73,34.62 h0.7
J2: Assembly Top-GM13 "1" at 2.905,41.08 h0.7; Assembly Top-GM13 "2" at 2.78,44.78 h0.7; Assembly Top-GM13 "9" at 14.53,40.98 h0.7; Assembly Top-GM13 "10" at 14.73,44.78 h0.7
J3: Assembly Top-GM13 "2" at 1.7,48.98 h0.7; Assembly Top-GM13 "1" at 2.2,46.44 h0.7; Assembly Top-GM13 "10" at 15.26,48.98 h0.7; Assembly Top-GM13 "9" at 15.26,46.44 h0.7